# Altium PCB PCB1.PcbDoc
Units mil, origin at the board's own origin, x right, y up, seen from the top; angles counter-clockwise.
Board outline 6000 x 4000 mil, 2 copper layers (Top Layer, Bottom Layer); 127 components, 74 nets, 328 pads, 0 vias.
Unrouted connection lines stored in the file: 242.
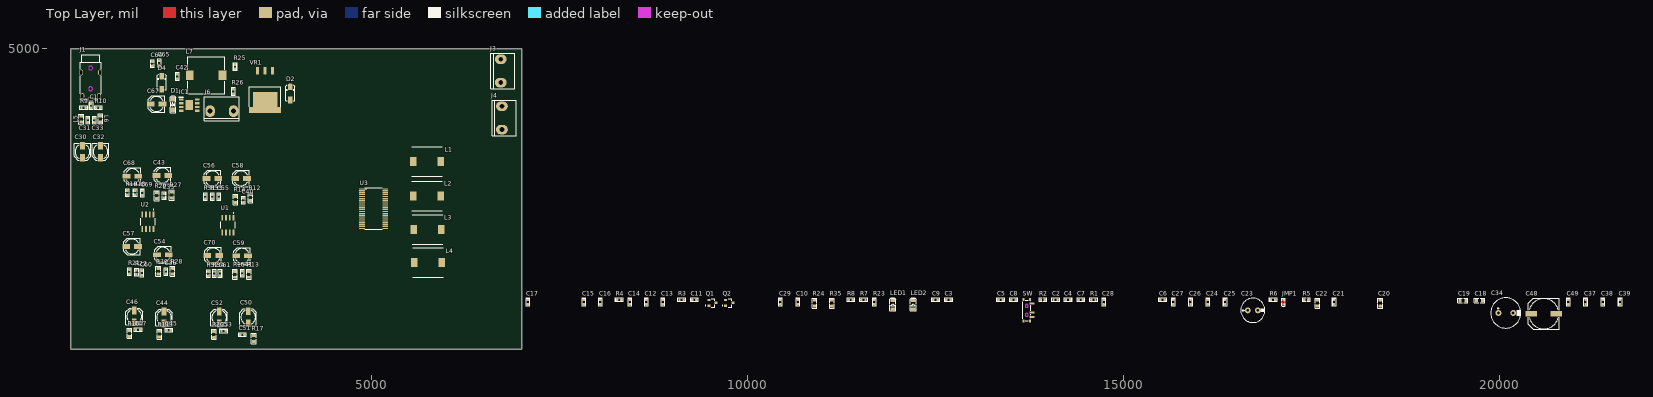
[diagram p0: Top Layer view]
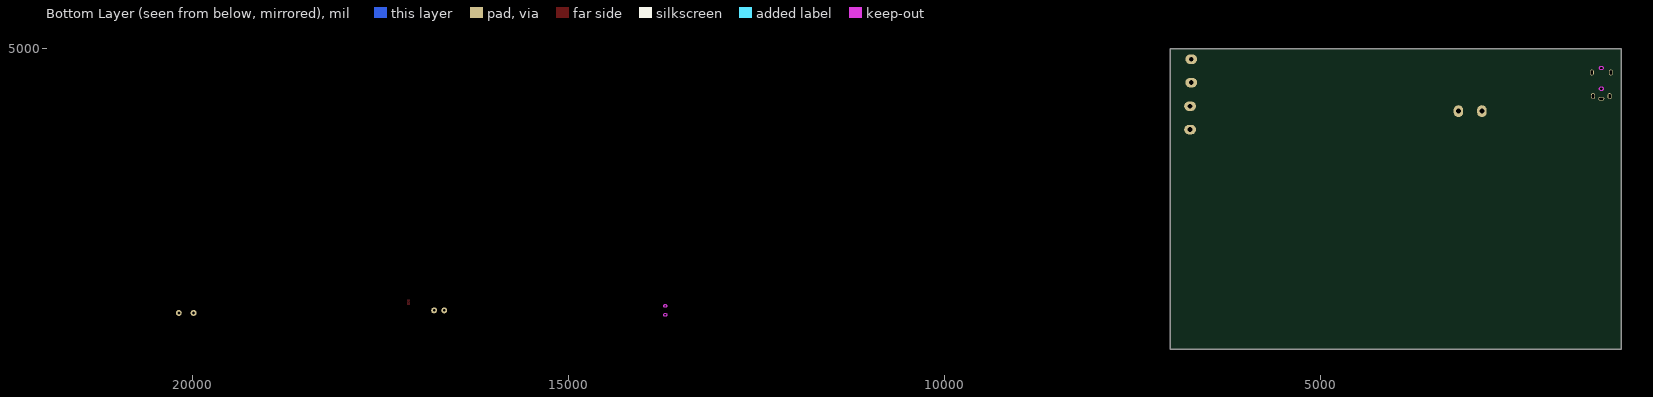
[diagram p1: Bottom Layer view, seen from below]

## Layer stack, top to bottom
Top Solder: solder mask 0.4, Solder Resist, Dk 3.5
Top Layer: signal copper 1.4
Dielectric 1: dielectric 12.6, FR-4, Dk 4.8
Bottom Layer: signal copper 1.4
Bottom Solder: solder mask 0.4, Solder Resist, Dk 3.5

## Board outline
1000,1000 7000,1000 7000,5000 1000,5000

## Design rules (kind name [scope] priority, off if disabled: settings)
Clearance [All] p1: gap=10 ignorepadtopadclearanceinfootprint=FALSE
PolygonConnect [All] p1: connectstyle=Relief reliefconductorwidth=10 reliefentries=4 polygonreliefangle="90 Angle" airgapwidth=10
RoutingVias [All] p1: holewidth=28 width=50 viastyle="Through Hole" minholewidth=28 minwidth=50 maxholewidth=28 maxwidth=50
SolderMaskExpansion [All] p1: expansion=4 istentingtop=FALSE
SupplyNets "Schematic Supply Nets_5" [InNet('+13.5')] p1: voltage=0.000
SupplyNets "Schematic Supply Nets_4" [InNet('EN')] p2: voltage=0.000
SupplyNets "Schematic Supply Nets_3" [InNet('DVDD')] p3: voltage=0.000
SupplyNets "Schematic Supply Nets_2" [InNet('+12')] p4: voltage=0.000
SupplyNets "Schematic Supply Nets" [InNet('GNDA')] p5: voltage=0.000
Width [All] p1: maxlimit=10 minlimit=10 preferedwidth=10
30 further rules are at their usual default settings.

## Components (designator, comment, footprint, x,y, rotation, side; value= is the part's Value field where it differs from the comment)
C1 "220pF" C_0603_2 1270,4242.56 r90 top
C2 "33nF" C_0603_2 14100,1660 r0 top value=10uF
C3 "33nF" C_0603_2 12675,1660 r0 top value=10uF
C4 "Cap" C_0603_2 14265,1660 r0 top value=1uF
C5 "Cap" C_0603_2 13370,1660 r0 top value=1uF
C6 "Cap" C_0603_2 15525,1660 r0 top value=10nF
C7 "Cap" C_0603_2 14435,1660 r0 top value=1nF
C8 "Cap" C_0603_2 13540,1660 r0 top value=1nF
C9 "Cap" C_0603_2 12505,1660 r0 top value=10nF
C10 "Cap" C_0603_2 10670,1630 r90 top value=10nF
C11 "33nF" C_0603_2 9295,1660 r0 top value=10uF
C12 "Cap" C_0603_2 8655,1630 r90 top value=1uF
C13 "Cap" C_0603_2 8875,1630 r90 top value=1nF
C14 "33nF" C_0603_2 8435,1630 r90 top value=10uF
C15 "Cap" C_0603_2 7825,1630 r90 top value=1uF
C16 "Cap" C_0603_2 8045,1630 r90 top value=1nF
C17 "Cap" C_0603_2 7080,1630 r90 top value=10nF
C18 "10uF" C_0805_2 19740,1650 r0 top
C19 "10uF" C_0805_2 19520,1650 r0 top
C20 "10uF" C_0805_2 18420,1615 r90 top
C21 "Cap" C_0603_2 17805,1630 r90 top value=100nF
C22 "10uF" C_0805_2 17585,1615 r90 top
C23 "470uF" C_8X12 16725,1520 r0 top value="2700uF 50V"
C24 "Cap" C_0603_2 16125,1630 r90 top value=100nF
C25 "Cap" C_0603_2 16355,1630 r90 top value=100nF
C26 "Cap" C_0603_2 15895,1630 r90 top value=1uF
C27 "Cap" C_0603_2 15665,1630 r90 top value=1uF
C28 "Cap" C_0603_2 14740,1630 r90 top value=1uF
C29 "Cap" C_0603_2 10440,1630 r90 top value=47nF
C30 "10uF" C_EL_5 1155,3630 r90 top
C31 "15pF" C_0603_2 1225.75,4049.68 r270 top
C32 "10uF" C_EL_5 1395,3630 r90 top
C33 "15pF" C_0603_2 1310.75,4049.8 r270 top
C34 "470uF" C_10X12 20090,1485 r0 top value="470uF 50V"
C35 "22pF" C_0603_2 2240,3045 r90 top value=15pF
C36 "22pF" C_0603_2 2265,2035 r90 top value=15pF
C37 "Cap" C_0603_2 21150,1630 r90 top value=1uF
C38 "Cap" C_0603_2 21380,1630 r90 top value=1uF
C39 "Cap" C_0603_2 21610,1630 r90 top value=1uF
C40 "22pF" C_0603_2 3295,2985 r90 top value=15pF
C41 "22pF" C_0603_2 3280,2012.56 r90 top value=15pF
C42 "Cap" C_0603_2 2415,4632.56 r90 top value=100nF
C43 "10uF" C_EL_5 2220,3315 r0 top
C44 "10uF" C_EL_5 2240,1425 r270 top
C45 "100pF" C_0603_2 2302.44,1255 r0 top value=10uF
C46 "10uF" C_EL_5 1845,1440 r270 top
C47 "100pF" C_0603_2 1895,1260 r0 top value=10uF
C48 "470uF" C_EL_10 20595,1475 r0 top value="2700uF 50V"
C49 "Cap" C_0603_2 20920,1630 r90 top value=100pF
C50 "10uF" C_EL_5 3360,1428.74 r270 top
C51 "100pF" C_0603_2 3282.56,1195 r0 top value=10uF
C52 "10uF" C_EL_5 2974.44,1425 r270 top
C53 "100pF" C_0603_2 3032.44,1245 r0 top value=10uF
C54 "10uF" C_EL_5 2226.26,2260 r0 top
C55 "Cap" C_0603_2 2970,3032.44 r270 top value=100nF
C56 "10uF" C_EL_5 2883.74,3275 r0 top
C57 "10uF" C_EL_5 1815,2370 r0 top
C58 "10uF" C_EL_5 3265,3275 r0 top
C59 "10uF" C_EL_5 3280,2245 r0 top
C60 "Cap" C_0603_2 1945,2017.44 r90 top value=100nF
C61 "Cap" C_0603_2 2985,2010 r90 top value=100nF
C64 "Cap" C_0603_2 2085,4800 r90 top value=2.2uF
C65 "Cap" C_0603_2 2175,4810 r90 top value=2.2uF
C67 "10uF" C_EL_5 2141.26,4265 r0 top
C68 "10uF" C_EL_5 1820,3305 r0 top
C69 "Cap" C_0603_2 1950,3080 r270 top value=100nF
C70 "10uF" C_EL_5 2895,2250 r0 top
D1 "15V" D_SOD80 2360,4260 r90 top
D2 "13V" DO-214AC 3920,4405 r90 top
D4 "Schottky 100V/1A" DO-214AC 2210,4550 r90 top
IC1 "MP9486AGN-Z" SOIC127P600X170-9N 2575,4250 r0 top
J1 "PJ-321B" AUDIO-TH_PJ-321B 1265,4510 r90 top
J3 "VH3P2" VH3_2 6720,4705 r90 top
J4 "VH3P2" VH3_2 6735,4080 r90 top
J6 "VH3P2" VH3_2 3010,4170 r180 top
JMP1 "" JUMPER_0603 17135,1630 r90 top
L1 "10uH" INDPM102100X400N 5740,3500 r0 top value=15nH
L2 "10uH" INDPM102100X400N 5740,3040 r0 top value=15nH
L3 "10uH" INDPM102100X400N 5745,2595 r0 top value=15nH
L4 "10uH" INDPM102100X400N 5751.93,2155 r0 top value=15nH
L5 "15nH" L_0805 1140.75,4062.87 r270 top
L6 "15nH" L_0805 1395.75,4067.24 r270 top
L7 "Inductor" IND_SLF12565T-150M4R2-PF 2800,4645 r0 top value=15uH
LED1 "LED RED" LED_1206_RED 11935,1595 r90 top
LED2 "LED RED" LED_1206_RED 12205,1595 r90 top
Q1 "DTA143EKA" TRANS_DTC113ZKAT146 9535,1620 r0 top
Q2 "DTA143EKA" TRANS_DTC113ZKAT146 9760,1620 r0 top
R1 "Res Semi" R_0603_2 14605,1660 r0 top value=3.3
R2 "Res Semi" R_0603_2 13930,1660 r0 top value=3.3
R3 "Res Semi" R_0603_2 9125,1660 r0 top value=3.3
R4 "Res Semi" R_0603_2 8295,1660 r0 top value=3.3
R5 "Res Semi" R_0603_2 17435,1660 r0 top value=3.3
R6 "Res Semi" R_0603_2 16995,1660 r0 top value=3.3
R7 "Res Semi" R_0603_2 11545,1660 r0 top value=22k
R8 "Res Semi" R_0603_2 11375,1660 r0 top value=30k
R9 "100K" R_0603_2 1170,4215 r180 top
R10 "100K" R_0603_2 1365,4215 r0 top
R11 "100 0.1%" R_0805 2180,1204.37 r270 top value=100
R12 "10K 0.1%" R_0805 3390,3019.37 r270 top value=100
R13 "10K 0.1%" R_0805 3370,2000 r90 top value=100
R14 "10K 0.1%" R_0805 3190,2995 r90 top value=100
R15 "10K 0.1%" R_0805 3185,2000 r270 top value=100
R16 "100 0.1%" R_0805 1780,1214.37 r270 top value=100
R17 "100 0.1%" R_0805 3435,1145.63 r270 top value=100
R18 "Res Semi" R_0603_2 1855,3085 r90 top value=10K
R19 "Res Semi" R_0603_2 1750,3085 r90 top value=10K
R20 "100 0.1%" R_0805 2905,1199.37 r90 top value=100
R21 "Res Semi" R_0603_2 1780,2032.44 r90 top value=10K
R22 "Res Semi" R_0603_2 1875,2027.44 r90 top value=10K
R23 "10K" R_0603_2 11690,1630 r90 top value=22K
R24 "4.7K" R_0805 10895,1615 r90 top value=22K
R25 "Res1" R_0603_2 3185,4760 r90 top value=100K
R26 "Res1" R_0603_2 3160,4432.44 r90 top value=7.5K
R27 "10K 0.1%" R_0805 2345,3055 r270 top value=100
R28 "10K 0.1%" R_0805 2355,2040 r270 top value=100
R29 "10K 0.1%" R_0805 2145,3045.63 r90 top value=100
R30 "10K 0.1%" R_0805 2165,2040 r90 top value=100
R31 "Res Semi" R_0603_2 2790,3030 r90 top value=10K
R32 "Res Semi" R_0603_2 2830,2007.44 r90 top value=10K
R33 "Res Semi" R_0603_2 2880,3032.56 r90 top value=10K
R34 "Res Semi" R_0603_2 2910,2010 r90 top value=10K
R35 "4.7K" R_0805 11125,1615 r90 top value=22K
SW "MSS12C02LS-BB2.0" SW-SMD_MSS12C02LS-HB2.0-1 13730,1520 r90 top
U1 "OPA1612AID" SOIC127P599X175-8N 3090,2655 r270 top
U2 "OPA1612AID" SOIC127P599X175-8N 2025,2700 r270 top
U3 "TPA3255" HTSSOP44_T 5028.54,2872.49 r0 top
VR1 "Volt Reg" D2PAK 3585,4705.28 r90 top

## Footprints (in the part's own frame and the unit in brackets; to place one, negate y for a bottom-side part, rotate by r counter-clockwise, add the part's x,y. Pads: shape width x height; smd on the part's side, far side on the other; paste and mask are expansions set on the pad)
AUDIO-TH_PJ-321B [mm]
  oval 1.3x2 hole 0.7 slot 1.4 at 90 deg: 1(-4.425,0)
  oval 2x1.3 hole 0.7 slot 1.4 at 0 deg: 2(-3.575,-2.8) 3(-3.575,2.8) 4(4.425,-3.2) 4(4.425,3.2)
  Keep-Out Layer board cut-out: 6.575,0 6.575,0.086 6.531,0.251 6.445,0.399 6.324,0.52 6.176,0.606 6.01,0.65 5.839,0.65 5.674,0.606 5.526,0.52 5.405,0.399 5.319,0.251 5.275,0.086 5.275,0 5.275,-0.086 5.319,-0.251 5.405,-0.399 5.526,-0.52 5.674,-0.606 5.839,-0.65 6.011,-0.65 6.176,-0.606 6.324,-0.52 6.445,-0.399 6.531,-0.251 6.575,-0.086 6.575,0 6.575,0
  Keep-Out Layer board cut-out: -0.425,0 -0.425,0.086 -0.469,0.251 -0.555,0.399 -0.676,0.52 -0.824,0.606 -0.99,0.65 -1.161,0.65 -1.326,0.606 -1.474,0.52 -1.595,0.399 -1.681,0.251 -1.725,0.086 -1.725,0 -1.725,-0.086 -1.681,-0.251 -1.595,-0.399 -1.474,-0.52 -1.326,-0.606 -1.161,-0.65 -0.989,-0.65 -0.824,-0.606 -0.676,-0.52 -0.555,-0.399 -0.469,-0.251 -0.425,-0.086 -0.425,0 -0.425,0
  Keep-Out Layer circle w0.025: c5.925,0 r0.65
  Keep-Out Layer circle w0.254: c5.925,0 r0.65
  Keep-Out Layer circle w0.025: c-1.075,0 r0.65
  Keep-Out Layer circle w0.254: c-1.075,0 r0.65
  silkscreen extent -4.68,-3.5 10.46,3.5
C_8X12 [mm] "Cap Elec, D8.0X12.0H pitch: 3.5mm, RB.14/.26, RB.15/.32"
  round 2 hole 0.9: 1(-1.7,0) 2(1.7,0)
  silkscreen extent -4.1,-4.1 4.1,4.1, body extent -4.02,-4.03 4.03,4.03, height 2.98
C_10X12 [mm] "Cap Elec, D10.0X12.0H pitch: 5.0mm"
  round 2 hole 1: 1(-2.5,0) 2(2.5,0)
  silkscreen extent -5.1,-5.1 5.1,5.1, body extent -5.07,-5.08 5.05,5.04, height 13.7
C_0603_2 [mm] "CHIP Capacitor, 1.6X0.8mm, 0603 OPTIMIZED"
  rrect50% 0.8x0.8 smd paste-5 mask+0.075: 1(-0.7,0) 2(0.7,0)
  Top Layer pour cut-out: -0.5,0.4 0.5,0.4 0.5,-0.4 -0.5,-0.4
  silkscreen extent -1.4,-0.7 1.4,0.7, body extent -0.8,-0.4 0.8,0.4, height 0.9
C_0805_2 [mm] "CHIP Capacitor, 2.0X1.3mm, 0805"
  rrect50% 1x1.2 smd paste-5 mask+0.075: 1(-1,0) 2(1,0)
  Top Layer pour cut-out: -0.5,0.8 0.5,0.8 0.5,-0.8 -0.5,-0.8
  silkscreen extent -1.7,-0.8 1.7,0.8, body extent -1,-0.62 1,0.63, height 1
C_EL_5 [mm] "Electrolytic Cap, D: 5.0mm, L: 5.8mm, Size C"
  rect 2.6x1.6 smd: 1(-2,0) 2(2,0)
  silkscreen extent -2.8,-2.81 2.8,2.8, body extent -2.95,-2.65 2.95,2.65, height 5.41
C_EL_10 [mm] "Electrolytic Cap, 10.3mm, L: 10mm"
  rect 4x2 smd: 1(-4.2,0) 2(4.2,0)
  silkscreen extent -5.3,-5.3 5.3,5.3, body extent -5.8,-5.15 5.8,5.15, height 10.2
D2PAK [mm]
  rect 2.5x1.07 smd: 1(0,2.54) 2(0,-2.54) 3(0,0)
  rect 1.91x10.8 smd: 3(-13.215,0)
  rect 6.99x8.33 smd: 3(-10.675,0)
  silkscreen extent -12.13,-5.27 -5.3,5.27, body extent -13.67,-5.08 0.67,5.08, height 4.57
D_SOD80 [mm] "SOD-80 MINI-MELF 3.6X1.6mm, LL-34, LL4148"
  rect 1.6x1.6 smd paste-0.1: 1(-1.8,0)
  rrect50% 1.6x1.6 smd paste-0.1: 2(1.8,0)
  Top Layer pour cut-out: -1.016,1.016 1.016,1.016 1.016,-1.016 -1.016,-1.016
  silkscreen extent -2.8,-1 3,1, body extent -1.85,-0.8 1.85,0.8, height 1.6
DO-214AC [mm] "SMA Molded Diode, 2-Leads, Body 4.3x2.7mm, SOD-128"
  rect 2.2x1.6 smd paste-0.1: 1(-2.2,0)
  rrect50% 2.2x1.6 smd paste-0.1: 2(2.2,0)
  silkscreen extent -2.4,-1.5 2.9,1.5, body extent -2.75,-1.4 2.75,1.4, height 2.6
HTSSOP44_T [mm]
  rect 1.9x0.4 smd: 1(-3.9,6.668) 2(-3.9,6.033) 3(-3.9,5.398) 4(-3.9,4.763) 5(-3.9,4.128) 6(-3.9,3.493) 7(-3.9,2.858) 8(-3.9,2.223) 9(-3.9,1.588) 10(-3.9,0.953) 11(-3.9,0.318) 12(-3.9,-0.317) 13(-3.9,-0.952) 14(-3.9,-1.587) 15(-3.9,-2.222) 16(-3.9,-2.857) 17(-3.9,-3.493) 18(-3.9,-4.128) 19(-3.9,-4.763) 20(-3.9,-5.398) 21(-3.9,-6.033) 22(-3.9,-6.668) 23(3.9,-6.668) 24(3.9,-6.033) 25(3.9,-5.398) 26(3.9,-4.763) 27(3.9,-4.128) 28(3.9,-3.493) 29(3.9,-2.857) 30(3.9,-2.222) 31(3.9,-1.587) 32(3.9,-0.952) 33(3.9,-0.317) 34(3.9,0.318) 35(3.9,0.953) 36(3.9,1.588) 37(3.9,2.223) 38(3.9,2.858) 39(3.9,3.493) 40(3.9,4.128) 41(3.9,4.763) 42(3.9,5.398) 43(3.9,6.033) 44(3.9,6.668)
  silkscreen extent -3,-7 3,7, body extent -4.06,-7 4.06,7, height 1.01
IND_SLF12565T-150M4R2-PF [mm]
  rect 2.6x3.2 smd: 1(-5.55,0) 2(5.55,0)
  silkscreen extent -6.25,-6.25 6.25,6.25, body extent -6.25,-6.25 6.25,6.25, height 6.85
INDPM102100X400N [mm]
  rect 2.2x3.05 smd: 1(-4.65,0) 2(4.65,0)
  silkscreen extent -5.1,-5 5.1,5
JUMPER_0603 [mm] "CHIP Resistor 1/10 WATT, 1.6x0.8mm, 0603, 1608"
  rrect50% 0.8x0.8 smd paste-3 mask+0.05: 1(-0.8,0) 2(0.8,0)
  Top Layer region: -0.943,0.4 0.057,0.4 -0.343,0 0.057,-0.4 -0.943,-0.4
  Top Layer region: 0.429,0.397 0.029,-0.003 0.429,-0.403 0.829,-0.403 0.829,0.397
  silkscreen extent -1.32,-0.6 1.32,0.6, body extent -0.85,-0.4 0.85,0.4, height 0.56
L_0805 [mm] "INDUCTOR, FERRITE BEAD, 0805, 2.0X1.3mm"
  rrect50% 1x1.2 smd paste-5 mask+0.075: 1(-1,0) 2(1,0)
  Top Layer pour cut-out: -0.5,0.8 0.5,0.8 0.5,-0.8 -0.5,-0.8
  silkscreen extent -1.7,-0.8 1.7,0.8, body extent -1,-0.6 1,0.6, height 0.95
LED_1206_RED [mm] "LED, 1206, RED"
  rect 1x1.6 smd paste-0.2 mask+0.075: 1(-1.4,0)
  rrect50% 1x1.6 smd paste-0.2 mask+0.075: 2(1.4,0)
  Top Layer pour cut-out: -1.1,1.1 -1.1,-1.1 1.1,-1.1 1.1,1.1
  silkscreen extent -2.1,-1 2.3,1, body extent -1.6,-0.8 1.6,0.8, height 0.68
R_0603_2 [mm] "CHIP Resistor 1/10 WATT, 1.6x0.8mm, 0603, OPTIMIZED"
  rrect50% 0.8x0.8 smd paste-5 mask+0.075: 1(-0.7,0) 2(0.7,0)
  Top Layer pour cut-out: -0.5,0.4 0.5,0.4 0.5,-0.4 -0.5,-0.4
  silkscreen extent -1.4,-0.7 1.4,0.7, body extent -0.85,-0.4 0.85,0.4, height 0.56
R_0805 [mm] "CHIP RESISTOR 1/8 WATT ,2.0X1.3mm, 0805, 2012"
  rrect50% 1x1.2 smd paste-5 mask+0.075: 1(-1,0) 2(1,0)
  Top Layer pour cut-out: -0.5,0.8 0.5,0.8 0.5,-0.8 -0.5,-0.8
  silkscreen extent -1.7,-0.8 1.7,0.8, body extent -1.15,-0.67 1.15,0.68, height 0.76
SOIC127P599X175-8N [mm]
  rrect25% 1.97x0.6 smd: 1(-2.47,1.905) 2(-2.47,0.635) 3(-2.47,-0.635) 4(-2.47,-1.905) 5(2.47,-1.905) 6(2.47,-0.635) 7(2.47,0.635) 8(2.47,1.905)
  silkscreen extent -4.17,-2.45 1.16,2.45, body extent -3,-2.45 3,2.45, height 1.75
SOIC127P600X170-9N [mm]
  rect 1.525x0.7 smd: 1(-2.712,1.905) 2(-2.712,0.635) 3(-2.712,-0.635) 4(-2.712,-1.905) 5(2.712,-1.905) 6(2.712,-0.635) 7(2.712,0.635) 8(2.712,1.905)
  rect 2.56x3.45 smd: 9(0,0)
  silkscreen extent -3.47,2.61 -1.95,2.61, body extent -2.45,-3 2.45,3, height 1.7
SW-SMD_MSS12C02LS-HB2.0-1 [mm]
  rect 0.7x1.8 smd paste+0 mask+0.051: 1(-2.25,-1.425) 2(-0.75,-1.425) 3(2.25,-1.425)
  rect 1x0.8 smd paste+0 mask+0.051: 4(-3.65,-0.775) 4(-3.65,1.425) 4(3.65,-0.775) 4(3.65,1.425)
  Keep-Out Layer board cut-out: -1,0.325 -1,0.425 -1.076,0.608 -1.217,0.749 -1.401,0.825 -1.6,0.825 -1.783,0.749 -1.924,0.608 -2,0.424 -2,0.325 -2,0.226 -1.924,0.042 -1.783,-0.099 -1.6,-0.175 -1.401,-0.175 -1.217,-0.099 -1.076,0.042 -1,0.226 -1,0.325 -1,0.325
  Keep-Out Layer board cut-out: 2,0.325 2,0.425 1.924,0.608 1.783,0.749 1.599,0.825 1.4,0.825 1.217,0.749 1.076,0.608 1,0.424 1,0.325 1,0.226 1.076,0.042 1.217,-0.099 1.4,-0.175 1.599,-0.175 1.783,-0.099 1.924,0.042 2,0.226 2,0.325 2,0.325
  Keep-Out Layer circle w0.025: c-1.5,0.325 r0.5
  Keep-Out Layer circle w0.254: c-1.5,0.325 r0.5
  Keep-Out Layer circle w0.025: c1.5,0.325 r0.5
  Keep-Out Layer circle w0.254: c1.5,0.325 r0.5
  silkscreen extent -3.43,-1.07 3.43,1.72
TRANS_DTC113ZKAT146 [mm]
  rect 1x0.8 smd: 1(-1.2,-0.95) 2(-1.2,0.95) 3(1.2,0)
  silkscreen extent -2.35,-1.45 0.82,1.45, body extent -1.4,-1.45 1.4,1.45, height 1.4
VH3_2 [mm]
  oval 3.2x4 hole 1.65: 1(-3.96,0) 2(3.96,0)
  silkscreen extent -5.94,-4.8 5.94,3.31, body extent -5.92,-4.66 5.9,3.84, height 10.9

## Part data
C1 C2 C3 C11 C14 C18 C19 C20 C22 C30 C31 C32 C33 C35 C36 C40 C41 C43 C44 C45 C46 C47 C50 C51 C52 C53 C54 C56 C57 C58 C59 C67 C68 C70: library part Cap, "Capacitor", LatestRevisionDate=17-Jul-2002, LatestRevisionNote="Re-released for DXP Platform.", PackageReference=RAD-0.3, Published=8-Jun-2000, Publisher="Altium Limited"
C4 C5 C6 C7 C8 C9 C10 C12 C13 C15 C16 C17 C21 C24 C25 C26 C27 C28 C29 C37 C38 C39 C42 C49 C55 C60 C61 C64 C65 C69: "Capacitor", LatestRevisionDate=17-Jul-2002, LatestRevisionNote="Re-released for DXP Platform.", PackageDescription="Radial Cap, Thru-Hole; 2 Leads; 0.3 in Pin Spacing", PackageReference=RAD-0.3, Published=8-Jun-2000, Publisher="Altium Limited"
C23 C34 C48: library part "Cap Pol1", "Polarized Capacitor (Radial)", LatestRevisionDate=17-Jul-2002, LatestRevisionNote="Re-released for DXP Platform.", PackageReference=RB7.6-15, Published=8-Jun-2000, Publisher="Altium Limited"
D1 D2: library part "D Zener", "Zener Diode", LatestRevisionDate=17-Jul-2002, LatestRevisionNote="Re-released for DXP Platform.", PackageDescription="Diode, Thru-Hole; 2 Leads; 0.7 in Pin Spacing", PackageReference=DIODE-0.7, Published=8-Jun-2000, Publisher="Altium Limited"
D4: library part "D Schottky", "Schottky Diode", Code_JEDEC=DO-214-AA, LatestRevisionDate=17-Jul-2002, LatestRevisionNote="Re-released for DXP Platform.", PackageDescription="DO-214-AA/SMB; 2 C-Bend Leads; Body 5.3 x 3.6 mm, inc. leads (LxW)", PackageReference=SMB, Published=8-Jun-2000, Publisher="Altium Limited"
IC1: "Buck Switching Regulator IC Positive Fixed 5V 1 Output 1A 8-SOIC (0.154, 3.90mm Width) Exposed Pad", Package="SOIC-8 Monolithic Power", Check_prices=https://www.snapeda.com/parts/MP9486AGN-Z/Monolithic+Power+Systems+Inc./view-part/?ref=eda, MF="Monolithic Power", MP=MP9486AGN-Z, SnapEDA_Link=https://www.snapeda.com/parts/MP9486AGN-Z/Monolithic+Power+Systems+Inc./view-part/?ref=snap
J1: Current Rating (Max)=500mA, JLCPCB Part Class="Extended Part", LCSC Part Name=3.5mm耳机座, Manufacturer="XKB Connection(中国星坤)", Operating Temperature Range=-20℃~+70℃, Soldering Temperature(Max)=235℃, Voltage Rating (Max)=30V, Add into BOM=yes, Connector Type=3.5mm耳机座, Convert to PCB=yes, Datasheet=https://atta.szlcsc.com/upload/public/pdf/source/20211011/0B12C1EC3FF575692CC2E8C172D7F9F9.pdf, Device=PJ-321B, Manufacturer Part=PJ-321B, Supplier=LCSC, Supplier Footprint=插件, Supplier Part=C692436, Symbol=PJ-321B
J3 J4 J6 JMP1: library part "Header 2", "Header, 2-Pin", LatestRevisionDate=17-Jul-2002, LatestRevisionNote="Re-released for DXP Platform.", Publisher="Altium Limited"
L1 L2 L3 L4 L5 L6: library part Inductor, "Inductor", Code_IEC=1005, Code_JEITA=0402, LatestRevisionDate=29-May-2009, LatestRevisionNote="IPC-7351 Footprint Added.", PackageDescription="Chip Inductor", PackageReference=0402-A, Published=8-Jun-2000, Publisher="Altium Limited"
LED1 LED2: library part LED0, LatestRevisionDate=08-Jul-2005, LatestRevisionNote="Mech Layer 1 removed.", PackageReference=LED-0, Published=8-Jun-2000, Publisher="Altium Limited"
Q1 Q2: library part PNP_MMBT2907_SOT23, "BJT, PNP, 40v, 0.6A, SMD, SOT23", MANF="Diodes, NXP, FAIRCHILD, ON", MANF_P#=MMBT2907, PARAM="40v, 0.6A", PARAM2=250mW
R1 R2 R3 R4 R5 R6 R7 R8 R18 R19 R21 R22 R31 R32 R33 R34: "Semiconductor Resistor", LatestRevisionDate=17-Jul-2002, LatestRevisionNote="Re-released for DXP Platform.", PackageDescription="Axial Device, Thru-Hole; 2 Leads; 0.5 in Pin Spacing", PackageReference=AXIAL-0.5, Published=8-Jun-2000, Publisher="Altium Limited"
R9 R10 R11 R12 R13 R14 R15 R16 R17 R20 R27 R28 R29 R30: library part "Res SEMI", "Semiconductor Resistor", LatestRevisionDate=17-Jul-2002, LatestRevisionNote="Re-released for DXP Platform.", PackageReference=AXIAL-0.5, Published=8-Jun-2000, Publisher="Altium Limited"
R23 R24 R35: library part Res1, "Resistor", LatestRevisionDate=17-Jul-2002, LatestRevisionNote="Re-released for DXP Platform.", PackageDescription="Axial Device, Thru-Hole; 2 Leads; 0.3 in Pin Spacing", PackageReference=AXIAL-0.3, Published=8-Jun-2000, Publisher="Altium Limited"
R25 R26: "Resistor", LatestRevisionDate=17-Jul-2002, LatestRevisionNote="Re-released for DXP Platform.", PackageDescription="Axial Device, Thru-Hole; 2 Leads; 0.3 in Pin Spacing", PackageReference=AXIAL-0.3, Published=8-Jun-2000, Publisher="Altium Limited"
SW: Actuator Color=-, Current Rating (DC)=100mA, JLCPCB Part Class="Extended Part", Manufacturer="SHOU HAN(首韩)", Operating Temperature=-25℃~+70℃, Voltage Rating (DC)=12V, Actuator Style=-, Add into BOM=yes, Circuit=SPDT, Convert to PCB=yes, Current Rating (AC)=-, Datasheet=https://atta.szlcsc.com/upload/public/pdf/source/20220429/8AEFBC67104491914BC5659DE1F359A3.pdf, Device=MSS12C02LS-BB2.0, LCSC Part Name=MSS12C02LS-BB2.0, Manufacturer Part=MSS12C02LS-BB2.0, Mechanical Life=1万次, Mounting Style="Brick nogging", Pin Style=SMDSplicing, Supplier=LCSC, Supplier Footprint=SMD, Supplier Part=C3008585, Switch Height=1.4mm, Switch Length=6.65mm, Switch Width=2.75mm, Symbol=MSS12C02LS-BB2.0, Voltage Rating (AC)=-
U1 U2: "SoundPlus Audio Operational Amplifier with 1.1nV/?Hz Noise, Low THD and Precision 8-SOIC -40 to 85", Package="SOIC-8 Texas Instruments", Availability="In Stock", Check_prices=https://www.snapeda.com/parts/OPA1612AID/Texas+Instruments/view-part/?ref=eda, MF="Texas Instruments", MP=OPA1612AID, PRICE=None, Purchase-URL=https://pricing.snapeda.com/search/part/OPA1612AID/?ref=eda, SnapEDA_Link=https://www.snapeda.com/parts/OPA1612AID/Texas+Instruments/view-part/?ref=snap
VR1: "Voltage Regulator", LatestRevisionDate=29-May-2009, LatestRevisionNote="IPC-7351 Footprint Added.", PackageDescription="3-Pin Transistor Outline Package 2.54 mm Pitch, 15.1 mm Lead Span", PackageReference=D2PAK, Published=24-Mar-1999, Publisher="Altium Limited"
L7: Code_IEC=1005, Code_JEITA=0402, LatestRevisionDate=29-May-2009, LatestRevisionNote="IPC-7351 Footprint Added.", PackageDescription="Chip Inductor", PackageReference=0402-A, Published=8-Jun-2000, Publisher="Altium Limited"

## Nets (pads, with @x,y where several pads share a name; then routed paths per layer and width w, separated by ;. In a path a pad name is that pad's centre, name@x,y a point inside that pad or via, vN(x,y) a via of type N, cw(c..) or ccw(c..) an arc to the next point about the centre after c; other vN are vias at no path point)
+12: C23.1 C24.2 C56.1 C57.1 C68.1 C70.1 D2.2 Q1.1 Q2.1 R5.1 R6.1 R19.2 R21.2 R31.2 R32.2 U1.8 U2.8 U3.2 VR1.3
+13.5: C67.1 D1.2 L7.2 R25.2 VR1.1
AMP_CLIP: Q2.2 U3.21
AMP_FAULT: Q1.2 U3.19
AMP_RESET: R23.1 SW.1 U3.18
AUDIO_L: J1.2 L6.1 R10.2
AUDIO_L+: C32.1 C58.2
AUDIO_L_M: C40.1 C52.2 C59.2 R12.2 U1.1
AUDIO_L_P: C41.1 C50.2 R13.2 U1.7
Audio_OUT_L_M: C5.2 C8.2 C9.2 J3.1 L2.2
Audio_OUT_L_P: C4.1 C6.1 C7.1 J3.2 L1.2
Audio_OUT_R_M: C15.2 C16.2 C17.2 J4.1 L4.2
Audio_OUT_R_P: C10.1 C12.1 C13.1 J4.2 L3.2
AUDIO_R: J1.3 L5.1 R9.2
AUDIO_R+: C30.1 C43.2
AUDIO_R_M: C35.1 C46.2 C54.2 R27.2 U2.1
AUDIO_R_P: C36.1 C44.2 R28.2 U2.7
AUDIO_TPAIN_L_M: C19.1 C53.1 R20.2
AUDIO_TPAIN_L_P: C18.1 C51.1 R17.2
AUDIO_TPAIN_R_M: C22.1 C47.1 R16.2
AUDIO_TPAIN_R_P: C20.1 C45.1 R11.2
DVDD: C4.2 C5.1 C7.2 C8.1 C12.2 C13.2 C15.1 C16.1 C21.2 C23.2 C24.1 C25.1 C26.2 C27.2 C28.2 C29.2 C34.2 C37.2 C38.2 C39.2 C45.2 C47.2 C48.2 C49.2 C51.2 C53.2 J6.2 JMP1.1 LED1.2 LED2.2 R1.1 R2.2 R3.1 R4.2 R7.1 R8.1 R23.2 SW.2 U3.3 U3.4 U3.12 U3.13 U3.25 U3.26 U3.33 U3.34 U3.41 U3.42
EN: C34.1 C37.1 C38.1 C39.1 C48.1 C49.1 C64.1 C65.1 IC1.3 IC1.6 IC1.7 J6.1 U3.29 U3.30 U3.31 U3.36 U3.37 U3.38
FB: IC1.1 R25.1 R26.2
GNDA: C1.1 C31.1 C33.1 C55.2 C56.2 C57.2 C60.2 C61.2 C64.2 C65.2 C67.2 C68.2 C69.2 C70.2 D1.1 D2.1 D4.1 IC1.8 JMP1.2 R9.1 R10.1 R18.1 R22.1 R26.1 R33.1 R34.1 U1.4 U2.4 VR1.2
NetC1_2: C1.2 J1.1
NetC2_2: C2.2 U3.44
NetC3_2: C3.2 U3.43
NetC6_2: C6.2 R1.2
NetC9_1: C9.1 R2.1
NetC10_2: C10.2 R3.2
NetC11_2: C11.2 U3.24
NetC14_2: C14.2 U3.23
NetC17_1: C17.1 R4.1
NetC18_2: C18.2 U3.5
NetC19_2: C19.2 U3.6
NetC20_2: C20.2 U3.16
NetC21_1: C21.1 R5.2 U3.1
NetC22_2: C22.2 U3.17
NetC25_2: C25.2 R6.2 U3.22
NetC26_1: C26.1 U3.11
NetC27_1: C27.1 U3.14
NetC28_1: C28.1 U3.20
NetC29_1: C29.1 U3.15
NetC30_2: C30.2 C31.2 L5.2
NetC32_2: C32.2 C33.2 L6.2
NetC35_2: C35.2 R27.1 R29.2 U2.2
NetC36_2: C36.2 R28.1 R30.2 U2.6
NetC40_2: C40.2 R12.1 R14.2 U1.2
NetC41_2: C41.2 R13.1 R15.2 U1.6
NetC42_1: C42.1 IC1.4
NetC42_2: C42.2 D4.2 IC1.5 L7.1
NetC43_1: C43.1 R29.1
NetC44_1: C44.1 R11.1
NetC46_1: C46.1 R16.1
NetC50_1: C50.1 R17.1
NetC52_1: C52.1 R20.1
NetC54_1: C54.1 R30.1
NetC55_1: C55.1 R31.1 R33.2 U1.3
NetC58_1: C58.1 R14.1
NetC59_1: C59.1 R15.1
NetC60_1: C60.1 R21.1 R22.2 U2.5
NetC61_1: C61.1 R32.1 R34.2 U1.5
NetC69_1: C69.1 R18.2 R19.1 U2.3
NetLED1_1: LED1.1 R24.1
NetLED2_1: LED2.1 R35.1
NetQ1_3: Q1.3 R24.2
NetQ2_3: Q2.3 R35.2
NetR7_2: R7.2 U3.7
NetR8_2: R8.2 U3.8
OUT_A: C2.1 L1.1 U3.39 U3.40
OUT_B: C3.1 L2.1 U3.35
OUT_C: C11.1 L3.1 U3.32
OUT_D: C14.1 L4.1 U3.27 U3.28
pads on no net: IC1.2 IC1.9 J1.4 SW.3 SW.4 U3.9 U3.10